# Altium PCB LimeSDR-PCIe_1v2.PcbDoc (part 8 of 9)
Units mm, origin at the board's own origin, x right, y up, seen from the top; angles counter-clockwise.
Board outline 136.85 x 68.9 mm, 12 copper layers (Top, L2, L3, L4, L5, L6, L7, L8, L9, L10, L11, Bottom), stack 1.638 mm thick; 821 components, 532 nets, 3803 pads, 1799 vias.
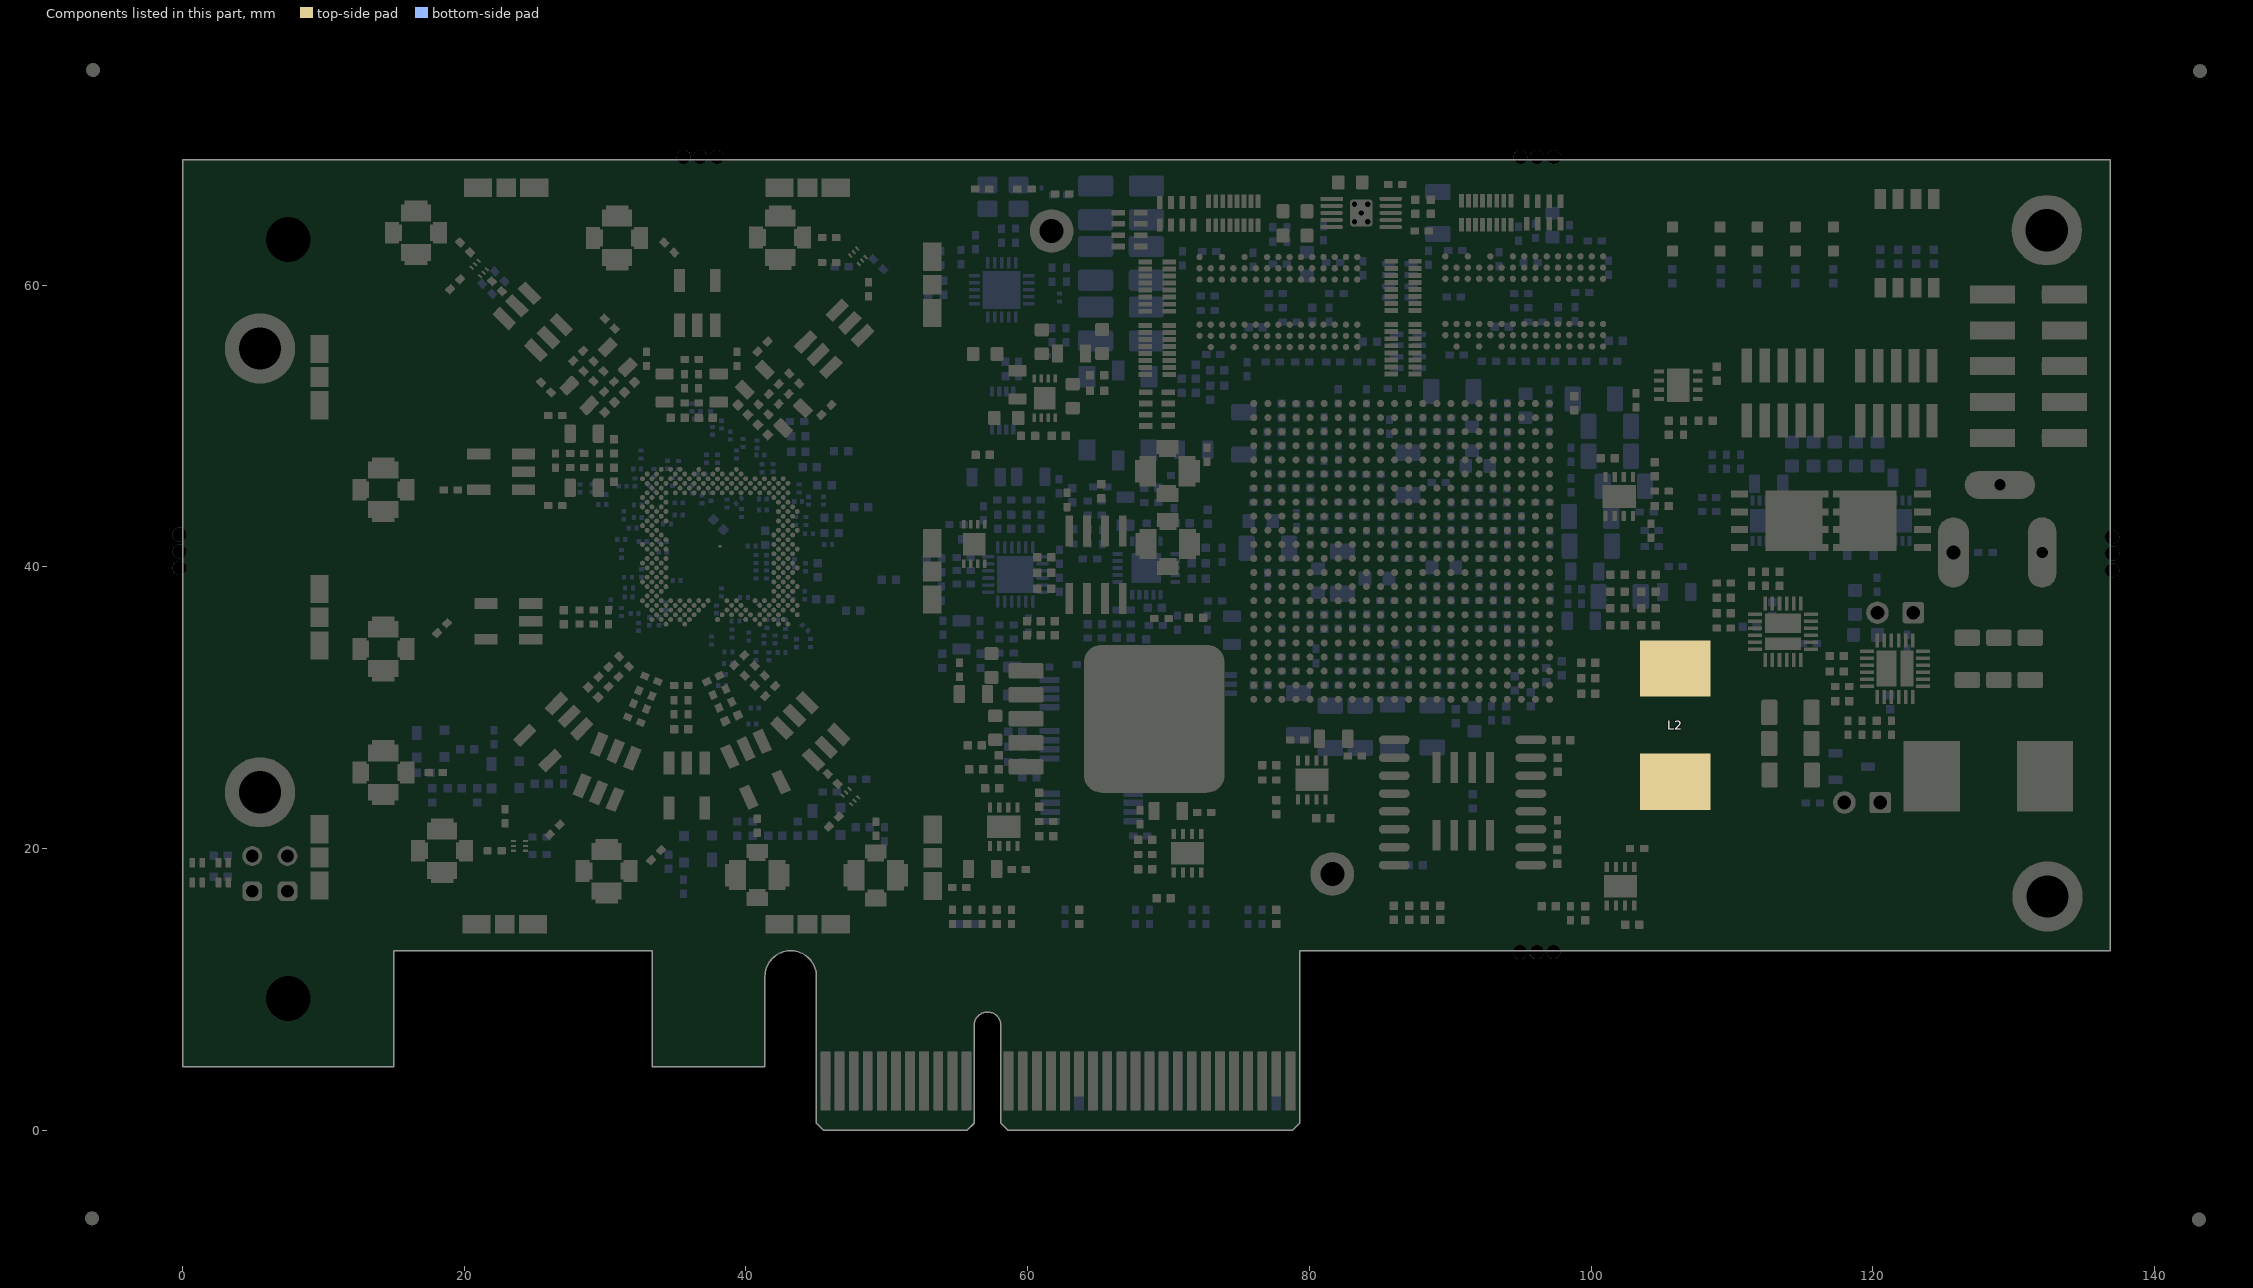
[diagram p18: the components of this part, seen from the top]

## Via types
v1: diameter 0.4, hole 0.2, Top to Bottom, tented both sides, 1691 vias
v2: diameter 0.35, hole 0.2, Top to Bottom, tented top, 87 vias
v3: diameter 0.5, hole 0.2, Top to Bottom, tented both sides, 20 vias
v4: diameter 0.4, hole 0.2, Top to Bottom, tented top, 1 vias

## Nets (pads, with @x,y where several pads share a name; then routed paths per layer and width w, separated by ;. In a path a pad name is that pad's centre, name@x,y a point inside that pad or via, vN(x,y) a via of type N, cw(c..) or ccw(c..) an arc to the next point about the centre after c; other vN are vias at no path point) (continued)
pads on no net: C1.0 C2.0 C3.0 C4.0 C5.0 C6.0 C7.0 C8.0 C9.0 C10.0 C11.0 C12.0 C13.0 C14.0 C15.0 C16.0 C17.0 C18.0 C19.0 C20.0 C21.0 C22.0 C23.0 C24.0 C25.0 C26.0 C27.0 C28.0 C29.0 C30.0 C31.0 C32.0 C33.0 C34.0 C35.0 C36.0 C37.0 C38.0 C39.0 C40.0 C41.0 C101.0 C102.0 C103.0 C104.0 C105.0 C106.0 C107.0 C108.0 C109.0 C110.0 C111.0 C112.0 C113.0 C114.0 C115.0 C116.0 C117.0 C118.0 C119.0 C120.0 C121.0 C122.0 C123.0 C124.0 C125.0 C126.0 C127.0 C128.0 C129.0 C130.0 C131.0 C132.0 C133.0 C134.0 C135.0 C136.0 C137.0 C138.0 C139.0 C140.0 C141.0 C142.0 C143.0 C144.0 C145.0 C146.0 C147.0 C148.0 C149.0 C150.0 C151.0 C152.0 C153.0 C154.0 C155.0 C156.0 C157.0 C158.0 C159.0 C160.0 C161.0 C162.0 C163.0 C164.0 C165.0 C166.0 C167.0 C168.0 C169.0 C170.0 C171.0 C172.0 C173.0 C174.0 C175.0 C176.0 C177.0 C178.0 C179.0 C180.0 C181.0 C182.0 C183.0 C184.0 C185.0 C186.0 C187.0 C188.0 C189.0 C190.0 C191.0 C192.0 C193.0 C194.0 C195.0 C196.0 C197.0 C198.0 C199.0 C200.0 C201.0 C202.0 C203.0 C204.0 C205.0 C206.0 C207.0 C208.0 C209.0 C210.0 C211.0 C212.0 C213.0 C214.0 C215.0 C216.0 C217.0 C218.0 C219.0 C220.0 C221.0 C222.0 C223.0 C224.0 C225.0 C226.0 C227.0 C228.0 C229.0 C230.0 C231.0 C232.0 C233.0 C234.0 C235.0 C236.0 C237.0 C238.0 C239.0 C240.0 C241.0 C242.0 C243.0 C244.0 C245.0 C246.0 C247.0 C248.0 C249.0 C250.0 C251.0 C252.0 C253.0 C254.0 C256.0 C257.0 C258.0 C259.0 C260.0 C261.0 C262.0 C263.0 C265.0 C266.0 C267.0 C268.0 C270.0 C271.0 C272.0 C273.0 C274.0 C275.0 C276.0 C277.0 C278.0 C279.0 C281.0 C282.0 C283.0 C284.0 C286.0 C287.0 C288.0 C289.0 C290.0 C291.0 C292.0 C293.0 C295.0 C296.0 C297.0 C298.0 C299.0 C300.0 C301.0 C302.0 C303.0 C304.0 C305.0 C306.0 C307.0 C308.0 C309.0 C310.0 C311.0 C312.0 C313.0 C314.0 C315.0 C316.0 C317.0 C318.0 C319.0 C320.0 C321.0 C322.0 C323.0 C324.0 C325.0 C326.0 C327.0 C328.0 C329.0 C330.0 C331.0 C332.0 C333.0 C334.0 C335.0 C336.0 C337.0 C338.0 C339.0 C340.0 C341.0 C342.0 C343.0 C344.0 C345.0 C346.0 C347.0 C348.0 C349.0 C350.0 C351.0 C352.0 C353.0 C354.0 C355.0 C356.0 C357.0 C358.0 C359.0 C360.0 C361.0 C362.0 C363.0 C364.0 C365.0 C366.0 C367.0 C368.0 C369.0 C370.0 C371.0 C372.0 C373.0 C374.0 C375.0 C376.0 C377.0 C378.0 C379.0 C380.0 C381.0 C382.0 C383.0 C384.0 C385.0 C386.0 C387.0 C388.0 C389.0 C390.0 C391.0 C392.0 C393.0 C394.0 C395.0 C396.0 C397.0 C398.0 C399.0 C400.0 C401.0 C402.0 C403.0 C404.0 C405.0 C406.0 C407.0 C408.0 C409.0 C410.0 C411.0 C412.0 C413.0 C414.0 C415.0 C416.0 C417.0 C418.0 C419.0 F1.1 F2.1 F3.1 F4.1 FR36.0 FR37.0 FR38.0 FR39.0 FR40.0 FR41.0 FR42.0 FR43.0 FR44.0 FR45.0 FR46.0 FR50.0 FR51.0 FR52.0 FR53.0 FR54.0 FR55.0 FR56.0 IC1.A5 IC1.A21 IC1.AA1 IC1.AA3 IC1.AA5 IC1.AB2 IC1.AB4 IC1.AB6 IC1.AC3 IC1.AC5 IC1.AD2 IC1.AE1 IC1.AE5 IC1.AG3 IC1.AG33 IC1.AH2 IC1.AH4 IC1.AH32 IC1.AJ1 IC1.AJ3 IC1.AJ5 IC1.AJ11 IC1.AJ13 IC1.AJ21 IC1.AJ27 IC1.AJ29 IC1.AJ31 IC1.AJ33 IC1.AK2 IC1.AK4 IC1.AK6 IC1.AK8 IC1.AK10 IC1.AK26 IC1.AK28 IC1.AK30 IC1.AK32 IC1.AK34 IC1.AL3 IC1.AL5 IC1.AL7 IC1.AL9 IC1.AL11 IC1.AL27 IC1.AL29 IC1.AL31 IC1.AL33 IC1.AM6 IC1.AM10 IC1.AM28 IC1.AM30 IC1.AM34 IC1.AN27 IC1.AN29 IC1.AN31 IC1.AP30 IC1.AP32 IC1.B2 IC1.B4 IC1.B22 IC1.C1 IC1.C3 IC1.C5 IC1.C9 IC1.C13 IC1.C15 IC1.C17 IC1.C19 IC1.C31 IC1.D2 IC1.D4 IC1.D8 IC1.D10 IC1.D12 IC1.D14 IC1.D18 IC1.D22 IC1.D30 IC1.D32 IC1.E3 IC1.E9 IC1.E11 IC1.E13 IC1.E15 IC1.E23 IC1.E29 IC1.E31 IC1.F2 IC1.F4 IC1.F10 IC1.F12 IC1.F14 IC1.F16 IC1.F22 IC1.F26 IC1.F32 IC1.G1 IC1.G29 IC1.J1 IC1.M2 IC1.M6 IC1.P2 IC1.R3 IC1.R5 IC1.T4 IC1.T6 IC1.U1 IC1.U3 IC1.U5 IC1.V2 IC1.V4 IC1.V6 IC1.W3 IC1.Y2 IC1.Y4 IC1.Y6 IC8.A9 IC8.AA3 IC8.AA7 IC8.AA22 IC8.AB3 IC8.AB7 IC8.AB9 IC8.AB12 IC8.AB16 IC8.AB22 IC8.C10 IC8.C11 IC8.C17 IC8.D17 IC8.D19 IC8.D20 IC8.D21 IC8.E17 IC8.F20 IC8.F22 IC8.G10 IC8.G19 IC8.H13 IC8.H15 IC8.H16 IC8.J12 IC8.J13 IC8.J14 IC8.J16 IC8.J20 IC8.K12 IC8.K17 IC8.L13 IC8.L14 IC8.L15 IC8.L16 IC8.L19 IC8.L20 IC8.M17 IC8.M18 IC8.M19 IC8.M22 IC8.N19 IC8.N20 IC8.N21 IC8.N22 IC8.P10 IC8.R10 IC8.R11 IC8.R14 IC8.R16 IC8.R17 IC8.R22 IC8.T7 IC8.T8 IC8.U6 IC8.U7 IC8.V6 IC8.V7 IC8.W8 IC8.W21 IC8.Y3 IC8.Y12 IC8.Y17 IC10.0 IC10.3 IC10.4 IC10.5 IC10.6 IC10.11 IC10.12 IC10.13 IC10.14 IC11.A2 IC11.E2 IC11.R3 IC11.R7 IC11.R8 IC12.A2 IC12.E2 IC12.R3 IC12.R7 IC12.R8 IC14.9 IC16.9 IC16.10 IC20.3 IC20.15 IC20.17 IC21.2 IC21.6 IC21.7 IC22.5 IC23.5 IC24.21 IC25.2 IC25.6 IC25.7 IC27.2 IC27.6 IC27.7 IC28.21 IC29.2 IC29.6 IC29.7 IC30.2 IC30.6 IC30.7 IC31.0 IC31.1 IC32.2 IC32.6 IC32.7 IC33.2 IC33.4 IC33.6 J11.6 J11.7 J11.8 LED1.0 LED4.0 LED5.0 LED6.0 LED7.0 LED8.0 LED9.0 MN1.0 MN2.0 MN3.0 MN4.0 MN5.0 MN6.0 MN7.0 MN8.0 MN9.0 MN10.0 MN11.0 MN12.0 MN13.0 MN14.0 MN15.0 MN16.0 MN17.0 MN18.0 MN19.0 MN20.0 MN21.0 MN22.0 MN23.0 MN24.0 MN25.0 MN26.0 MN27.0 MN28.0 MN29.0 MN30.0 MN31.0 MN32.0 MN33.0 MN34.0 MN35.0 MN36.0 MN37.0 MN38.0 MN39.0 MN40.0 MN41.0 MN42.0 MN43.0 MN44.0 MN45.0 MN46.0 MN47.0 MN48.0 MN49.0 MN50.0 MN51.0 MN52.0 MN53.0 MN54.0 MN55.0 MN56.0 P1.A5 P1.A8 P1.A19 P1.A32 P1.B9 P1.B12 P1.B30 R1.0 R2.0 R3.0 R4.0 R5.0 R6.0 R7.0 R8.0 R9.0 R10.0 R11.0 R12.0 R13.0 R14.0 R15.0 R16.0 R17.0 R18.0 R19.0 R20.0 R21.0 R22.0 R23.0 R24.0 R25.0 R26.0 R27.0 R28.0 R40.0 R41.0 R42.0 R43.0 R44.0 R45.0 R46.0 R47.0 R48.0 R49.0 R50.0 R51.0 R52.0 R53.0 R54.0 R55.0 R56.0 R57.0 R58.0 R59.0 R60.0 R61.0 R62.0 R63.0 R64.0 R65.0 R66.0 R67.0 R68.0 R69.0 R70.0 R71.0 R73.0 R74.1 R75.1 R76.0 R77.0 R79.0 R80.1 R81.8 R82.0 R83.0 R84.0 R85.0 R86.0 R87.0 R88.0 R89.0 R90.0 R91.0 R92.0 R93.0 R94.0 R95.0 R96.0 R97.0 R98.0 R99.0 R100.0 R101.0 R102.0 R103.0 R104.0 R105.0 R106.0 R107.0 R108.0 R109.0 R110.0 R111.0 R112.0 R113.0 R114.0 R115.0 R116.0 R117.0 R118.0 R119.0 R120.0 R121.0 R122.0 R123.0 R124.0 R125.0 R126.0 R127.0 R128.0 R129.0 R130.0 R131.0 R132.0 R133.0 R134.0 R135.0 R136.0 R137.0 R138.0 R139.0 R140.0 R141.0 R142.0 R143.0 R144.0 R145.0 R146.0 R147.0 R148.0 R149.0 R150.0 R151.0 R152.0 R153.0 R154.0 R155.0 R156.0 R157.0 R158.0 R159.0 R160.0 R161.0 R162.0 R163.0 R164.0 R165.0 R166.0 R167.0 R168.0 R169.0 R170.0 R171.0 R172.0 R173.0 R174.0 R175.0 R176.0 R177.0 RA1.0 RA2.0 RA3.0 RA4.0 RA5.0 RA6.0 T2.1 T2.5 T4.1 T4.5 T7.1 T7.5 T9.1 T9.5 VD1.0 VT5.0 XO1.3 XO3.0 XO3.1 XO4.0 XO4.1 XO5.0 XO5.1 XT1.0
copper on no net: | length 1.7
  Top w0.4: v1(87.55,33.1) 88.05,32.6
  Bottom w0.2: 64.775,42.125 65.75,42.125

## Polygon pours and split planes (outlines as drawn)
VCC1P8 on L6 "VCC1P8_L06_P004" (solid, remove dead copper, pour order 4): 106.9,45.4 99.7,52.6 76.65,52.6 74.95,50.9 74.95,45.625 77.95,42.625 80.1,42.625 82.125,44.65 97.775,44.65 99.625,42.8 106.325,42.8 106.9,43.375
VCC1P8_DDR2 on L6 "VCC1P8_DDR2_L06_P000" (solid, remove dead copper, pour order 0): 76.575,67.75 71.625,62.8 71.625,57.425 74.85,54.2 98.3,54.2 101.1,54.2 103.325,51.975 103.325,50.025 105.4,47.95 107.2,47.95 107.575,47.95 108.225,48.6 108.225,60.4 100.875,67.75
GND on L6 "GND_L06_P046" (solid, remove dead copper, pour order 46): 15,4.5 15,12.75 33.35,12.75 33.35,4.5 41.35,4.5 41.35,10.925 cw(c43.175,10.925) 45,10.925 45,6.35 56.2,6.35 56.2,7.45 cw(c57.15,7.45) 58.1,7.45 58.1,6.35 79.3,6.35 79.3,12.75 136.85,12.75 136.85,68.9 0,68.9 0,4.5
VCC3P3 on L6 "VCC3P3_L06_P020" (solid, remove dead copper, pour order 20): 125.25,32.375 132.05,32.375 133.825,30.6 133.825,22.55 132.125,20.85 126.15,14.875 98.8,14.875 57.35,14.875 53.725,18.5 53.725,21.575 53.725,52.2 57.325,55.8 63.425,55.8 68.275,50.95 68.275,43.125 69.25,42.15 78.275,42.15 79.675,40.75 79.675,37.95 82.4,35.225 90.4,35.225 102.4,23.225 112.225,23.225 113.525,24.525 113.525,32.975 106.75,39.75 104.775,39.75 103.8,40.725 103.8,42.075 104.112,42.387 107.075,42.387 115.238,42.387
VCC1P2 on L6 "VCC1P2_L06_P008" (solid, remove dead copper, pour order 8): 112.3,24.35 112.3,33.05 106.425,38.925 104.925,38.925 101.45,42.4 99.375,42.4 98.4,43.375 97.5,44.275 82.6,44.275 80.725,42.4 80.175,41.85 80.175,38.775 83.175,35.775 90.5,35.775 97.675,28.6 102.55,23.725 111.675,23.725
VCC1P25_LMS_DIG on L5 "VCC1P25_LMS_DIG_L05_P014" (solid, remove dead copper, pour order 14): 55.525,26.475 54.625,27.375 54.625,32.575 50.85,36.35 50.85,41.7 52.062,42.913 55.35,39.625 57.925,37.05 57.925,27.975 56.425,26.475
GND on L5 "GND_L05_P045" (solid, remove dead copper, pour order 45): 15,4.5 15,12.75 33.35,12.75 33.35,4.5 41.35,4.5 41.35,10.925 cw(c43.175,10.925) 45,10.925 45,6.25 56.2,6.25 56.2,7.45 cw(c57.15,7.45) 58.1,7.45 58.1,6.25 79.3,6.25 79.3,12.75 136.85,12.75 136.85,68.9 0,68.9 0,4.5
VCC1P4_LMS on L5 "VCC1P4_LMS_L05_P006" (solid, remove dead copper, pour order 6): 67.1,19.075 53.4,19.075 47.15,25.325 47.15,31.575 49.275,33.7 51.65,33.7 53.775,31.575 53.775,26.65 55.1,25.325 64.95,25.325 67.875,22.4 67.875,20.15 67.875,19.625 67.325,19.075
VCC3P3_LMK on L5 "VCC3P3_LMK_L05_P034" (solid, remove dead copper, pour order 34): 57.6,39.275 62.8,39.275 62.975,39.45 62.975,41.05 59.663,44.363 58.387,44.362 57.85,44.9 55.225,44.9 54.6,44.275 54.6,42.275
GND on L8 "GND_L08_P048" (solid, remove dead copper, pour order 48): 15,4.5 15,12.75 33.35,12.75 33.35,4.5 41.35,4.5 41.35,10.925 cw(c43.175,10.925) 45,10.925 45,6.3 56.2,6.3 56.2,7.45 cw(c57.15,7.45) 58.1,7.45 58.1,6.3 79.3,6.3 79.3,12.75 136.85,12.75 136.85,68.9 0,68.9 0,4.5
VCC1P8_LMS on L8 "VCC1P8_LMS_L08_P010" (solid, remove dead copper, pour order 10): 62.125,28.225 53.95,36.4 45.025,36.4 44.375,35.75 34.875,35.75 31.5,39.125 31.5,47.45 32.2,48.15 43.15,48.15 44.05,49.05 48.575,49.05 51.225,51.7 51.225,52.75 50.975,53 44.661,53 42.463,55.525 34.176,55.525 32.926,56.775 29.35,56.775 25.725,53.15 25.725,44.763 25.25,44.287 20.587,44.287 19.875,43.575 19.875,40.025 21.525,38.375 25.725,38.375 26.375,37.725 26.375,35.425 30.35,31.45 46.7,31.45 57.775,20.375 72.275,20.375 75.55,23.65 75.55,25 72.325,28.225
GND on L4 "GND_L04_P042" (solid, remove dead copper, pour order 42): 15,4.5 15,12.75 33.35,12.75 33.35,4.5 41.35,4.5 41.35,10.925 cw(c43.175,10.925) 45,10.925 45,6.175 56.2,6.175 56.2,7.45 cw(c57.15,7.45) 58.1,7.45 58.1,6.175 79.3,6.175 79.3,12.75 136.85,12.75 136.85,68.9 0,68.9 0,4.5
VCC2P5 on L4 "VCC2P5_L04_P012" (solid, remove dead copper, pour order 12): 107.625,38.275 89.95,20.6 89.95,19.025 89.4,18.475 88.475,18.475 86.05,20.9 86.05,23.05 86.05,26.025 80.1,31.975 76.875,31.975 75.05,33.8 74.875,33.975 74.175,33.975 72.35,32.15 58.025,32.15 56.925,33.25 55.7,33.25 55.7,32.3 55.7,30.35 57.45,28.6 64.55,28.6 68.15,25 71.875,21.275 79.525,13.625 100.85,13.625 110.05,22.825 110.05,37.475 109.25,38.275
VCC3P3_PCIE on L4 "VCC3P3_PCIE_L04_P038" (solid, remove dead copper, pour order 38): 51.8,7.125 51.8,14.8 53.725,16.725 53.975,16.975 58.075,16.975 59.225,16.975 59.625,16.575 60.175,16.025 60.175,13.825 60.175,12.425 54.3,6.55 52.375,6.55
VCC3P3_CLK on L4 "VCC3P3_CLK_L04_P028" (solid, remove dead copper, pour order 28): 73.725,46.45 73.725,48.05 69.35,52.425 65.6,56.175 65.6,57.725 61.4,61.925 60.725,61.925 59.9,62.75 58.525,62.75 56.475,60.7 56.475,45.05 56.875,44.65 57.95,44.65 58.206,44.906 58.206,45.6 58.478,45.872 60.275,45.872 60.547,45.6 62.472,43.675 66.775,43.675 67.4,44.3 67.4,45.7 68,46.3 70.875,46.3 71.75,45.425 71.75,44.7 72.15,44.3 73.225,44.3 73.725,44.8 73.725,46.175
GND on L10 "GND_L10_P050" (solid, remove dead copper, pour order 50): 15,4.5 15,12.75 33.35,12.75 33.35,4.5 41.35,4.5 41.35,10.925 cw(c43.175,10.925) 45,10.925 45,6.275 56.2,6.275 56.2,7.45 cw(c57.15,7.45) 58.1,7.45 58.1,6.275 79.3,6.275 79.3,12.75 136.85,12.75 136.85,68.9 0,68.9 0,4.5
VCC1P25_LMS on L10 "VCC1P25_LMS_L10_P016" (solid, remove dead copper, pour order 16): 63.575,23.8 58.2,29.175 54.55,29.175 51.775,31.95 48.425,31.95 46.9,30.425 46.9,26.325 50.2,23.025 52.881,20.344 63.044,20.344 63.575,20.875
GND on L3 "GND_L03_P044" (solid, remove dead copper, pour order 44): 15,4.5 15,12.75 33.35,12.75 33.35,4.5 41.35,4.5 41.35,10.925 cw(c43.175,10.925) 45,10.925 45,6.15 56.2,6.15 56.2,7.45 cw(c57.15,7.45) 58.1,7.45 58.1,6.15 79.3,6.15 79.3,12.75 136.85,12.75 136.85,68.9 0,68.9 0,4.5
GND on L3 "GND_L03_P041" (solid, remove dead copper, pour order 41): 15,4.5 15,12.75 33.35,12.75 33.35,4.5 41.35,4.5 41.35,10.925 cw(c43.175,10.925) 45,10.925 45,6.175 56.2,6.175 56.2,7.45 cw(c57.15,7.45) 58.1,7.45 58.1,6.175 79.3,6.175 79.3,12.75 136.85,12.75 136.85,68.9 0,68.9 0,4.5
VDIO_LMS on L3 "VDIO_LMS_L03_P024" (solid, remove dead copper, pour order 24): 63.1,31.55 63.137,32.712 62.575,33.275 60.2,33.275 59.325,34.15 59.325,41.1 58.6,41.825 53.5,46.925 53.125,47.3 52,47.3 49.875,45.175 49.875,43.5 45.2,38.825 45.2,37.6 47.8,35 55,35 58.775,31.225 62.825,31.225
VCC3P3 on L3 "VCC3P3_L03_P022" (solid, remove dead copper, pour order 22): 104.975,40.575 106.075,41.675 106.075,43.725 106.075,49.625 102.925,52.775 100.275,52.775 99.575,52.075 99.575,43.275 101.575,41.275 102.275,40.575 104.85,40.575
VCC12P0 on L3 "VCC12P0_L03_P018" (solid, remove dead copper, pour order 18): 116.992,22.3 116.992,36.383 112.597,40.778 112.597,58.071 107.367,63.3 67.025,63.3 65.875,62.15 65.875,57.069 66.704,56.24 66.704,54.816 66.537,54.65 62.075,54.65 58.6,58.125 58.6,66.3 60.5,68.2 116.425,68.2 120.7,63.925 120.7,45.45 121.525,44.625 121.525,39.7 121.525,24.625 119.2,22.3
GND on L9 "GND_L09_P049" (solid, remove dead copper, pour order 49): 15,4.5 15,12.75 33.35,12.75 33.35,4.5 41.35,4.5 41.35,10.925 cw(c43.175,10.925) 45,10.925 45,6.15 56.2,6.15 56.2,7.45 cw(c57.15,7.45) 58.1,7.45 58.1,6.15 79.3,6.15 79.3,12.75 136.85,12.75 136.85,68.9 0,68.9 0,4.5
VCC12P0_PCIE on L9 "VCC12P0_PCIE_L09_P026" (solid, remove dead copper, pour order 26): 46.325,7.6 54.575,7.6 56.375,9.4 61.925,9.4 66.15,13.625 104.625,13.625 114.35,23.35 114.35,46 112.8,47.55 103.5,47.55 101.95,46 101.95,30.875 97.25,26.175 58.975,26.175 52.7,19.9 52.7,18.625 50.65,16.575 48.225,16.575 45.5,13.85 45.5,8.425
GND on L7 "GND_L07_P047" (solid, remove dead copper, pour order 47): 15,4.5 15,12.75 33.35,12.75 33.35,4.5 41.35,4.5 41.35,10.925 cw(c43.175,10.925) 45,10.925 45,6.3 56.2,6.3 56.2,7.45 cw(c57.15,7.45) 58.1,7.45 58.1,6.3 79.3,6.3 79.3,12.75 136.85,12.75 136.85,68.9 0,68.9 0,4.5
VREF_DDR2 on L7 "VREF_DDR2_L07_P030" (solid, remove dead copper, pour order 30): 77.225,41.675 83.025,41.675 88.35,47 88.725,47 95,53.275 95,62.025 93.05,63.975 78.7,63.975 75.775,61.05 75.775,42.825 76.925,41.675
VDIO_LMS_FPGA on L7 "VDIO_LMS_FPGA_L07_P032" (solid, remove dead copper, pour order 32): 91.025,44.35 91.025,35.85 88.7,33.525 53.95,33.525 52.975,34.5 52.975,39.725 53.9,40.65 76.125,40.65 84.4,40.65 88.325,44.575 90.625,44.575 90.8,44.575
+1.8V_DIG_LMK on L7 "+1.8V_DIG_LMK_L07_P036" (solid, remove dead copper, pour order 36): 56.975,43.925 56.975,42.675 57.575,42.075 57.625,42.025 61.65,42.025 62.225,42.6 62.225,44.6 62.05,44.775 57.825,44.775
GND on Top "GND_L01_P039" (solid, remove dead copper, pour order 39): 15,4.5 15,12.75 33.35,12.75 33.35,4.5 41.35,4.5 41.35,10.925 cw(c43.175,10.925) 45,10.925 45,6.325 56.2,6.325 56.2,7.45 cw(c57.15,7.45) 58.1,7.45 58.1,6.325 79.3,6.325 79.3,12.75 136.85,12.75 136.85,68.9 0,68.9 0,4.5
GND on L2 "GND_L02_P040" (solid, remove dead copper, pour order 40): 15,4.5 15,12.75 33.35,12.75 33.35,4.5 41.35,4.5 41.35,10.925 cw(c43.175,10.925) 45,10.925 45,6.25 56.2,6.25 56.2,7.45 cw(c57.15,7.45) 58.1,7.45 58.1,6.25 79.3,6.25 79.3,12.75 136.85,12.75 136.85,68.9 0,68.9 0,4.5
GND on L11 "GND_L11_P051" (solid, remove dead copper, pour order 51): 15,4.5 15,12.75 33.35,12.75 33.35,4.5 41.35,4.5 41.35,10.925 cw(c43.175,10.925) 45,10.925 45,6.275 56.2,6.275 56.2,7.45 cw(c57.15,7.45) 58.1,7.45 58.1,6.275 79.3,6.275 79.3,12.75 136.85,12.75 136.85,68.9 0,68.9 0,4.5
GND on Bottom "GND_L12_P053" (solid, remove dead copper, pour order 53): 15,4.5 15,12.75 33.35,12.75 33.35,4.5 41.35,4.5 41.35,10.925 cw(c43.175,10.925) 45,10.925 45,6.35 56.2,6.35 56.2,7.45 cw(c57.15,7.45) 58.1,7.45 58.1,6.35 79.3,6.35 79.3,12.75 136.85,12.75 136.85,68.9 0,68.9 0,4.5

## Keep-outs
Top:
  rectangle: 135.775,13.75 136.775,68.9
  rectangle: 12.7,67.9 136.775,68.9
  rectangle: 0,58.5 12.7,68.9
  rectangle: 79.275,12.75 136.775,13.75
  region: 0,4.45 15,4.45 ccw(c15,4.5) 15.05,4.5 15.05,12.7 33.3,12.7 33.3,7.95 ccw(c33.35,7.95) 33.35,7.9 41.35,7.9 ccw(c41.35,7.95) 41.4,7.95 ccw(c41.35,7.95) 41.4,7.951 41.4,10.925 cw(c43.175,10.925) 44.95,10.925 ccw(c45,10.925) 45.05,10.925 45.05,13.75 ccw(c45,13.75) 45,13.8 0,13.8 ccw(c0,13.75) -0.05,13.75 -0.05,4.5 ccw(c0,4.5)
Bottom:
  rectangle: 0,13.75 1,58.5
  rectangle: 0,58.5 12.7,68.9
  rectangle: 12.7,67.9 136.775,68.9
  rectangle: 135.775,13.75 136.775,68.9
  rectangle: 79.3,12.75 136.775,13.75
  region: 0,4.45 15,4.45 ccw(c15,4.5) 15.05,4.5 15.05,12.7 33.3,12.7 33.3,7.95 ccw(c33.35,7.95) 33.35,7.9 41.35,7.9 ccw(c41.35,7.95) 41.4,7.95 ccw(c41.35,7.95) 41.4,7.951 41.4,10.925 cw(c43.175,10.925) 44.95,10.925 ccw(c45,10.925) 45.05,10.925 45.05,13.75 ccw(c45,13.75) 45,13.8 0,13.8 ccw(c0,13.75) -0.05,13.75 -0.05,4.5 ccw(c0,4.5)

## Other copper
Top:
  region net GND: 43.5,64.175 43.5,66.6 39.675,66.6 39.675,63.375 41.45,63.375 41.45,64.175
  region net GND: 43.5,62.575 43.5,60.725 43.225,60.45 41.225,60.45 39.675,62 39.675,63.375 41.45,63.375 41.45,62.575
  region net GND: 23.1,20.125 22.7,20.525 22.7,20.85 22.75,20.9 23.025,20.9 23.15,20.775 23.15,20.425 23.3,20.275 23.525,20.275 23.525,20.125
  region net GND: 48.047,23.163 48.047,22.597 47.817,22.367 47.746,22.367 47.499,22.615 47.499,22.686 47.799,22.986 47.799,23.198 47.64,23.357 47.746,23.463
  region net GND: 47.782,24.17 48.259,24.648 48.4,24.648 48.595,24.453 48.595,24.312 48.383,24.1 47.923,24.1 47.888,24.064
  region net TX1_2_LB_L: 47.181,24.312 47.181,24.383 47.446,24.648 47.658,24.648 47.782,24.524 47.782,24.347 47.499,24.064 47.428,24.064
  region net TX1_2_LB_H: 46.792,23.923 46.721,23.923 46.456,23.658 46.456,23.446 46.58,23.322 46.756,23.322 47.039,23.605 47.039,23.675
  region net GND: 20.536,61.82 19.97,61.82 19.741,61.59 19.741,61.519 19.988,61.272 20.059,61.272 20.359,61.573 20.571,61.573 20.73,61.413 20.837,61.52
  region net GND: 21.544,61.555 22.021,62.032 22.021,62.174 21.826,62.368 21.685,62.368 21.473,62.156 21.473,61.696 21.438,61.661
  region net TX1_2_LB_H: 21.296,60.565 21.296,60.494 21.031,60.229 20.819,60.229 20.695,60.353 20.695,60.53 20.978,60.812 21.049,60.812
  region net TX1_2_LB_L: 21.685,60.954 21.756,60.954 22.021,61.219 22.021,61.431 21.897,61.555 21.72,61.555 21.438,61.272 21.438,61.201
  region net GND: 24,20.8 24,21.475 23.9,21.575 23.625,21.575 23.525,21.475 23.525,21.175 23.85,20.85 23.85,20.8
  region net TX2_2_LB_L: 24.525,19.925 24.575,19.875 24.575,19.5 24.425,19.35 24.25,19.35 24.125,19.475 24.125,19.875 24.175,19.925
  region net TX2_2_LB_H: 24.525,20.475 24.575,20.525 24.575,20.9 24.425,21.05 24.25,21.05 24.125,20.925 24.125,20.525 24.175,20.475
  region net TX2_2_LB_L: 48.566,61.823 48.636,61.823 48.902,62.088 48.902,62.301 48.778,62.424 48.601,62.424 48.318,62.141 48.318,62.071
  region net TX2_2_LB_H: 48.177,61.434 48.177,61.364 47.912,61.098 47.699,61.098 47.576,61.222 47.576,61.399 47.859,61.682 47.929,61.682
  region net GND: 48.424,62.424 48.902,62.902 48.902,63.043 48.707,63.237 48.566,63.237 48.354,63.025 48.354,62.566 48.318,62.53
  region net GND: 47.417,62.689 46.851,62.689 46.621,62.46 46.621,62.389 46.869,62.141 46.939,62.141 47.24,62.442 47.452,62.442 47.611,62.283 47.717,62.389
  pour cut-out: 74.875,6.3 74.875,13.708 74.15,13.708 74.15,6.3
  pour cut-out: 73.425,6.3 73.425,13.708 74.15,13.708 74.15,6.3
  pour cut-out: 70.875,6.3 70.875,13.708 70.15,13.708 70.15,6.3
  pour cut-out: 69.425,6.3 69.425,13.708 70.15,13.708 70.15,6.3
  pour cut-out: 61.875,6.3 61.875,13.708 61.15,13.708 61.15,6.3